# Altium PCB PCB1.PcbDoc
Units mil, origin at the board's own origin, x right, y up, seen from the top; angles counter-clockwise.
Board outline 2440.94 x 1541.95 mil, 2 copper layers (Top Layer, Bottom Layer); 65 components, 62 nets, 268 pads, 379 vias.
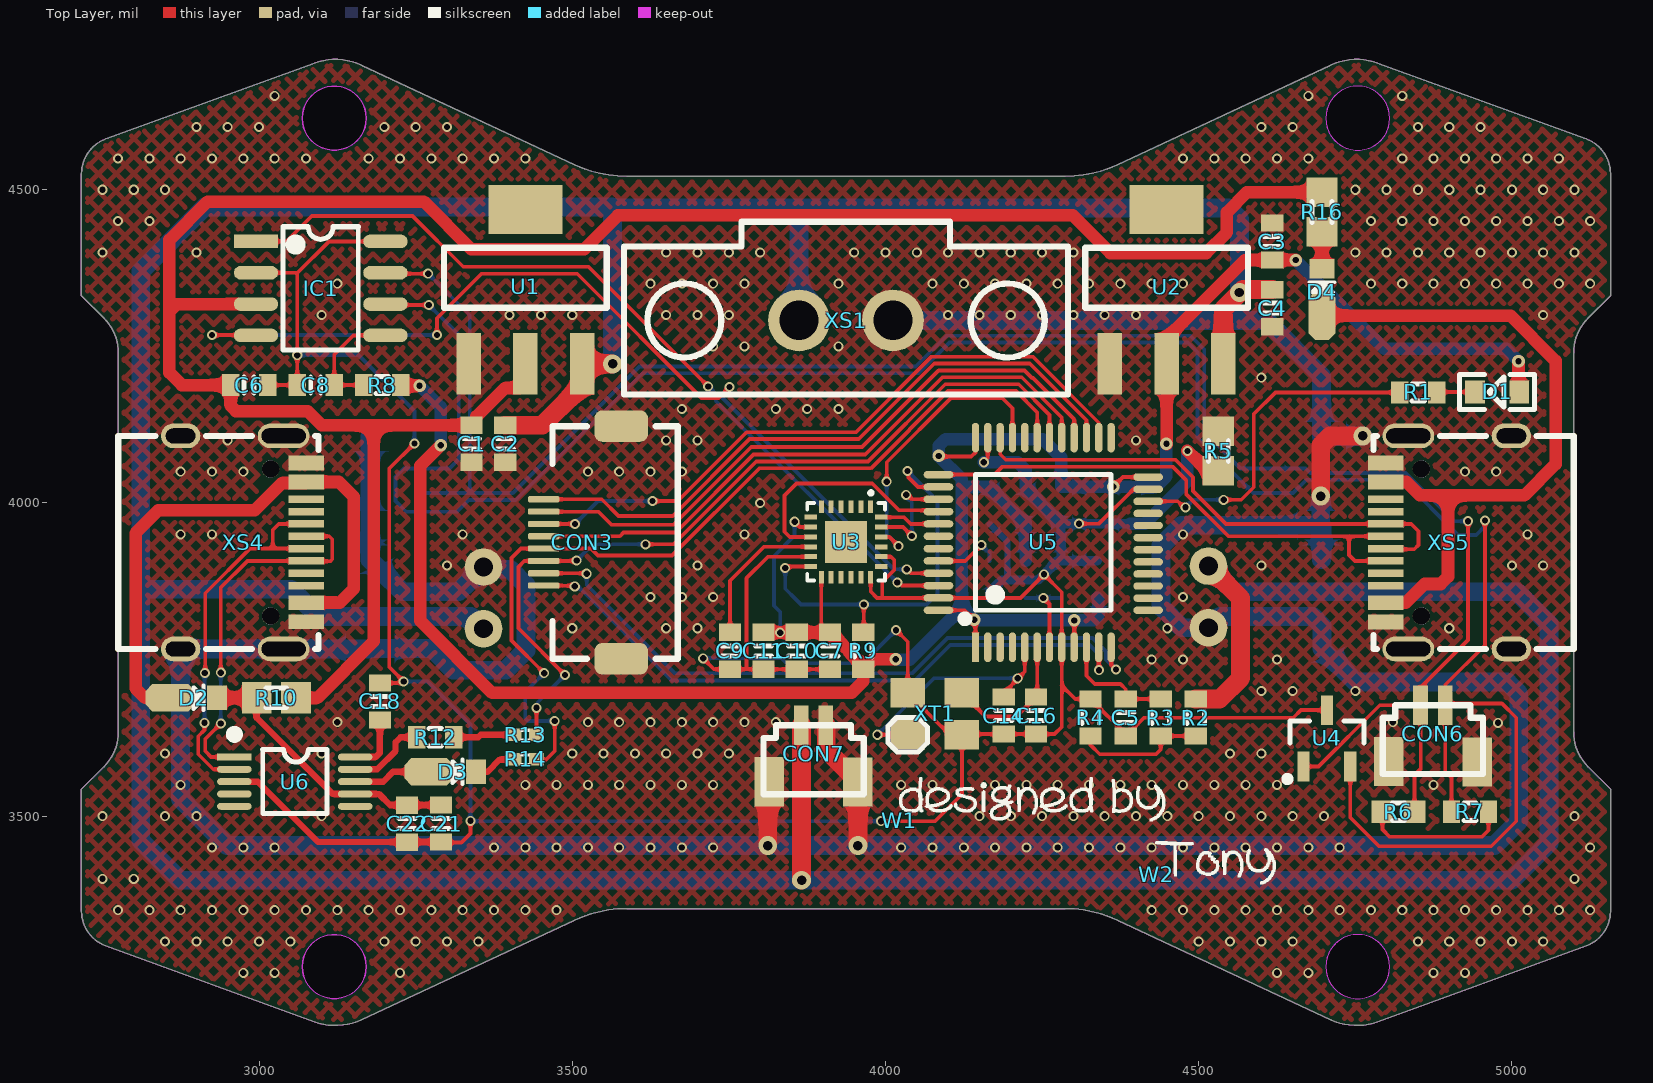
[diagram p0: Top Layer view]
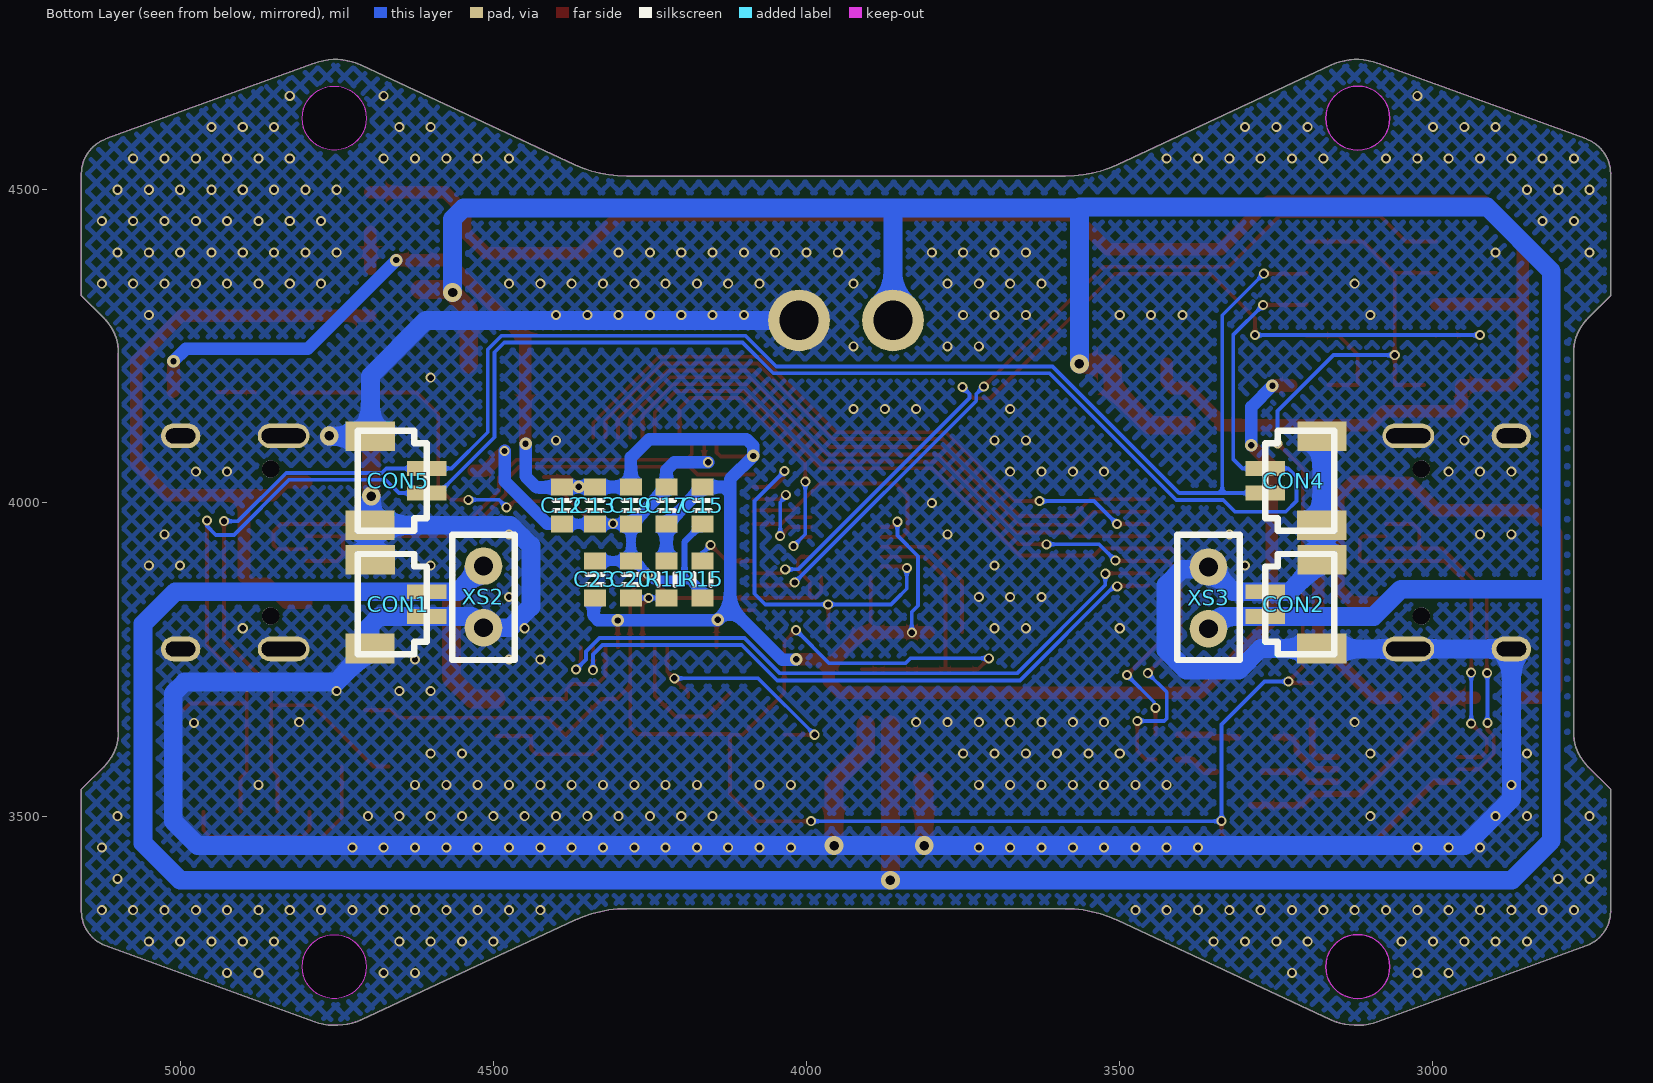
[diagram p1: Bottom Layer view, seen from below]
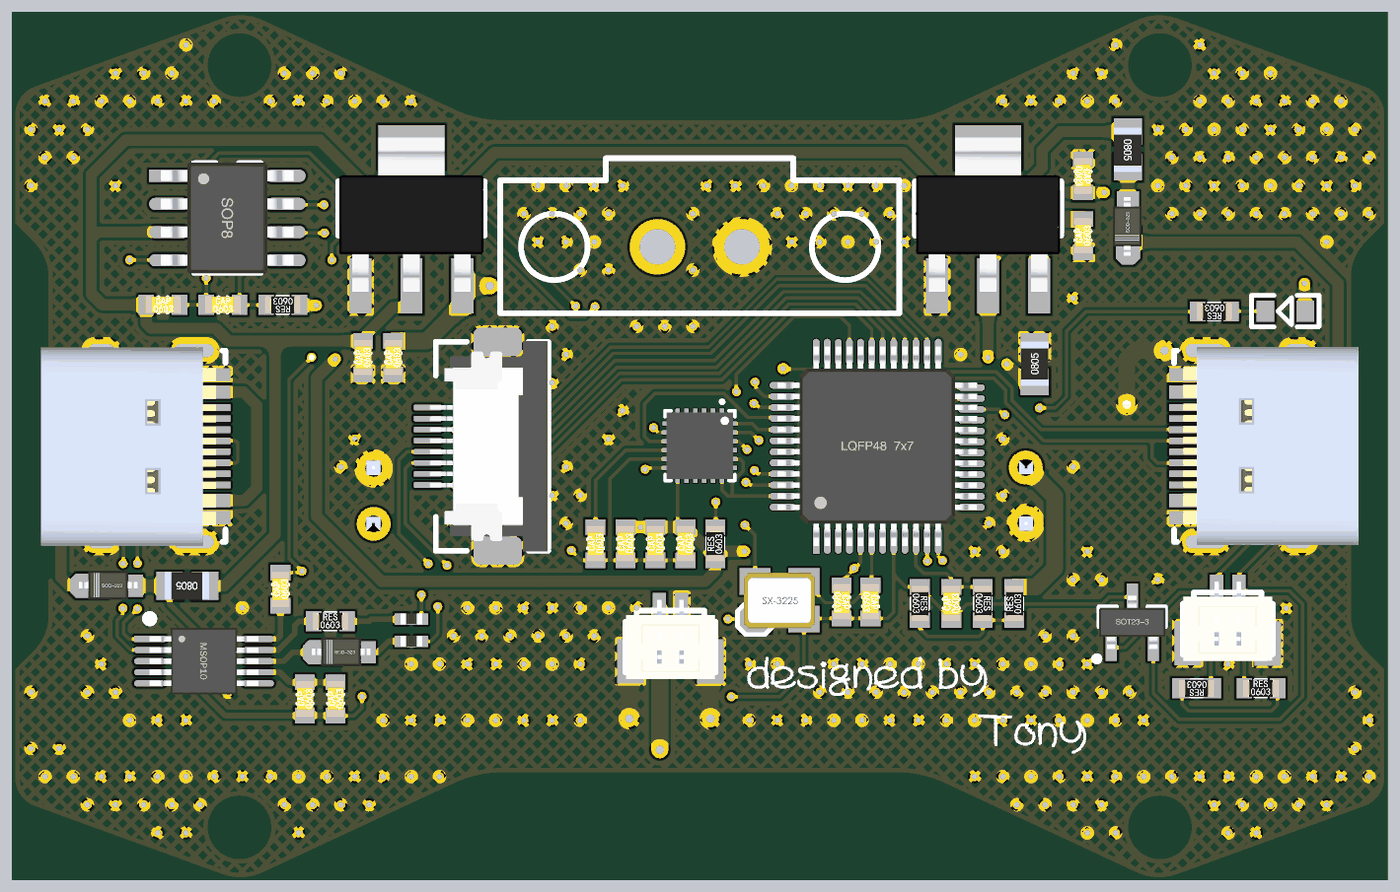
[diagram p2: 3D render of the assembled board from above, using the file's embedded part models]
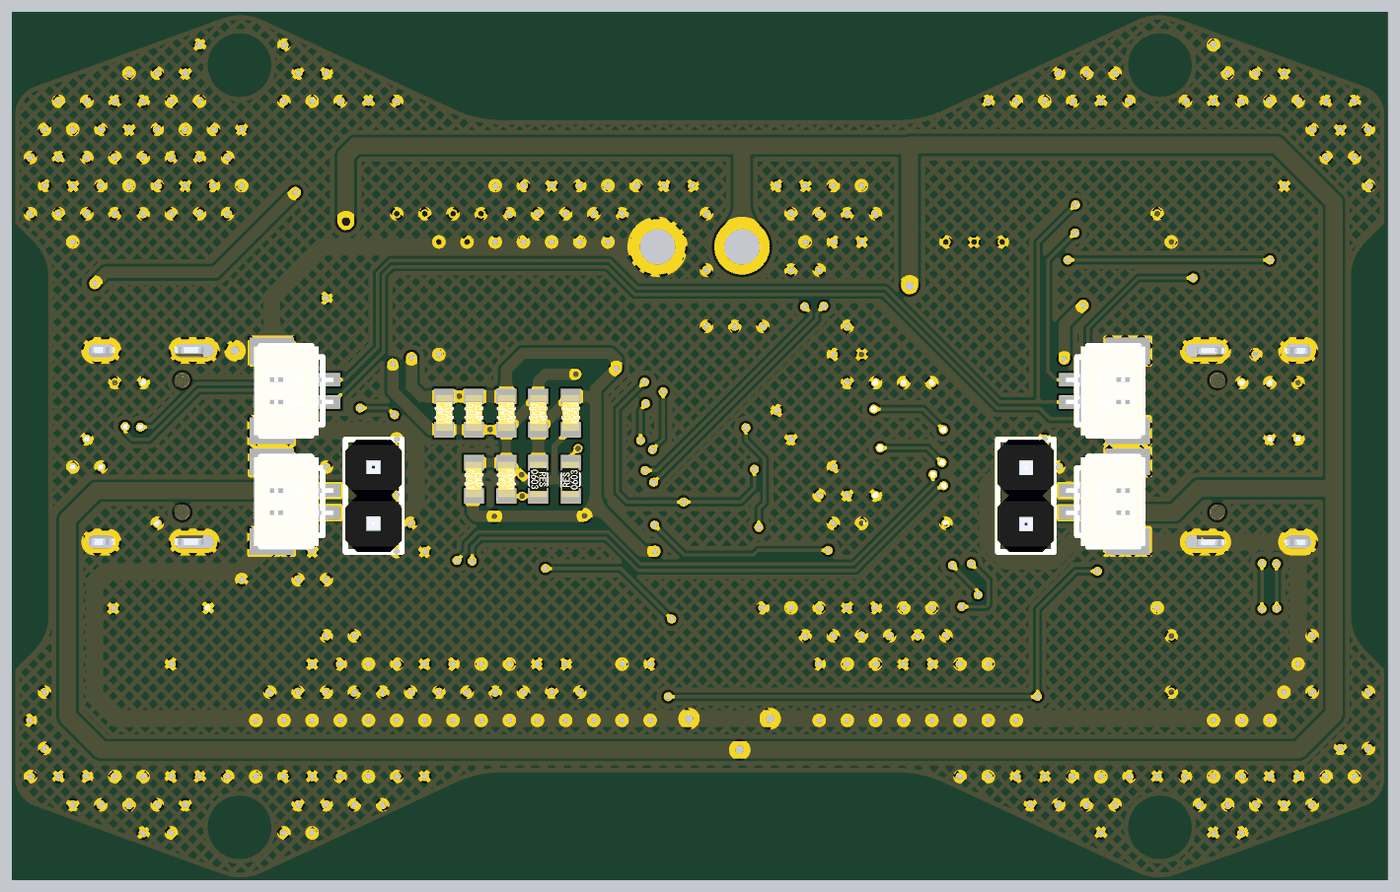
[diagram p3: 3D render of the assembled board from below, using the file's embedded part models]

## Layer stack, top to bottom
Top Solder: solder mask 0.4, Solder Resist, Dk 3.5
Top Layer: signal copper 1.4
Dielectric 1: dielectric 12.6, FR-4, Dk 4.8
Bottom Layer: signal copper 1.4
Bottom Solder: solder mask 0.4, Solder Resist, Dk 3.5

## Board outline
2716.54,3348.44 2716.54,3543.31 2752.53,3579.3 ccw(c2696.85,3634.98) 2775.59,3634.98 2775.59,4239.04 ccw(c2696.85,4239.04) 2752.53,4294.72 2716.54,4330.71 2716.54,4525.58 cw(c2775.59,4525.58) 2755.39,4581.07 3088.03,4702.14 cw(c3121.7,4609.65) 3163.29,4698.86 3503.76,4540.1 ccw(c3586.95,4718.5) 3586.95,4521.65 4287.07,4521.65 ccw(c4287.07,4718.5) 4370.26,4540.1 4710.72,4698.86 cw(c4752.32,4609.65) 4785.98,4702.14 5118.62,4581.07 cw(c5098.43,4525.58) 5157.48,4525.58 5157.48,4330.71 5121.49,4294.72 ccw(c5177.17,4239.04) 5098.43,4239.04 5098.43,3634.98 ccw(c5177.17,3634.98) 5121.49,3579.3 5157.48,3543.31 5157.48,3348.44 cw(c5098.43,3348.44) 5118.62,3292.94 4785.98,3171.87 cw(c4752.32,3264.36) 4710.72,3175.16 4370.26,3333.92 ccw(c4287.07,3155.51) 4287.07,3352.36 3586.95,3352.36 ccw(c3586.95,3155.51) 3503.76,3333.92 3163.29,3175.16 cw(c3121.7,3264.36) 3088.03,3171.87 2755.39,3292.94 cw(c2775.59,3348.44)
cut-out: 3120.08,4562.99 cw(c3120.08,4614.17) 3068.9,4614.17 cw(c3120.08,4614.17) 3120.08,4665.35 cw(c3120.08,4614.17) 3171.26,4614.17 cw(c3120.08,4614.17)
cut-out: 4702.76,4614.17 ccw(c4753.94,4614.17) 4753.94,4562.99 ccw(c4753.94,4614.17) 4805.12,4614.17 ccw(c4753.94,4614.17) 4753.94,4665.35 ccw(c4753.94,4614.17)
cut-out: 4702.76,3259.84 ccw(c4753.94,3259.84) 4753.94,3208.66 ccw(c4753.94,3259.84) 4805.12,3259.84 ccw(c4753.94,3259.84) 4753.94,3311.02 ccw(c4753.94,3259.84)
cut-out: 3120.08,3208.66 cw(c3120.08,3259.84) 3068.9,3259.84 cw(c3120.08,3259.84) 3120.08,3311.02 cw(c3120.08,3259.84) 3171.26,3259.84 cw(c3120.08,3259.84)

## Design rules (kind name [scope] priority, off if disabled: settings)
Clearance [All] p1: gap=5 ignorepadtopadclearanceinfootprint=TRUE
ComponentClearance [All] p1: gap=10 collisioncheckmode=3 verticalgap=-20 showdistances=FALSE
PlaneConnect [All] p1: planeconnectstyle=Direct reliefexpansion=20 reliefentries=4 reliefconductorwidth=10 reliefairgap=10
PolygonConnect [All] p1: connectstyle=Direct reliefconductorwidth=10 reliefentries=4 polygonreliefangle="90 Angle" airgapwidth=10
RoutingVias [All] p1: holewidth=28 width=50 viastyle="Through Hole" minholewidth=28 minwidth=50 maxholewidth=28 maxwidth=50
SolderMaskExpansion [All] p1: expansion=4 istentingtop=FALSE
Width [All] p1: maxlimit=100 minlimit=4 preferedwidth=6
28 further rules are at their usual default settings.

## Components (designator, comment, footprint, x,y, rotation, side; value= is the part's Value field where it differs from the comment)
C1 "0603-22u" CAP_0603 3324.33,4094.49 r90 top
C2 "0603-106" CAP_0603 3377.95,4094.49 r90 top
C3 "0603-22u" CAP_0603 4632.36,4417.32 r270 top
C4 "0603-106" CAP_0603 4602.36,4311.02 r90 top
C5 "0603-2u2" CAP_0603 4368.45,3657.48 r90 top
C6 "0603-104" CAP_0603 2984.25,4203.23 r0 top
C7 "0603-103" CAP_0603 3896.42,3763.9 r90 top
C8 "0603-104" CAP_0603 3090.55,4203.23 r0 top
C9 "0603-104" CAP_0603 3736.97,3763.91 r90 top
C10 "0603-104" CAP_0603 3843.27,3763.9 r90 top
C11 "0603-2u2" CAP_0603 3790.12,3763.9 r90 top
C12 "104" CAP_0603 4405.51,3996.06 r90 bottom
C13 "104" CAP_0603 4322.83,3996.06 r270 bottom
C14 "22p" CAP_0603 4203.98,3660.56 r270 top
C15 "104" CAP_0603 4181.1,3996.06 r90 bottom
C16 "22p" CAP_0603 4255.16,3660.56 r270 top
C17 "105" CAP_0603 4208.66,3996.06 r270 bottom
C18 "0603-104" CAP_0603 3177.91,3683.07 r90 top
C19 "104" CAP_0603 4295.28,3996.06 r90 bottom
C20 "104" CAP_0603 4295.28,3877.95 r90 bottom
C21 "0603-104" CAP_0603 3275.59,3488.19 r90 top
C22 "0603-106" CAP_0603 3221.22,3488.08 r90 top
C23 "104" CAP_0603 4322.83,3877.95 r270 bottom
CON1 "SH1.0_2" "SH1.0 Vertical 2P" 4606.3,3838.58 r90 bottom
CON2 "SH1.0_2" "SH1.0 Vertical 2P" 3267.72,3838.58 r270 bottom
CON3 "FFC_0.5_8" FFC_0.5_8 3543.31,3937.01 r90 top locked
CON4 "SH1.0_2" "SH1.0 Vertical 2P" 3267.72,4035.43 r270 bottom
CON5 "SH1.0_2" "SH1.0 Vertical 2P" 4606.3,4035.43 r90 bottom
CON6 "SH1.0_2" "SH1.0 Vertical 2P" 4874.02,3677.17 r180 top
CON7 "SH1.0_2" "SH1.0 Vertical 2P" 3885.13,3644.98 r180 top
D1 "led" led0603 4974.4,4182.1 r180 top
D2 "ss14" SOD-323 2933.07,3688.98 r180 top
D3 "ss14" SOD-323 3346.46,3570.87 r180 top
D4 "ss14" SOD-323 4696.85,4374.02 r270 top
IC1 "TJA1050" SOP8_N 3098.43,4342.52 r0 top locked
R1 "0603-3k" RES_0603 4850.39,4161.42 r180 top
R2 "0603-10k" RES_0603 4480.31,3657.48 r90 top
R3 "0603-1k" RES_0603 4454.38,3657.48 r270 top
R4 "0603-4k7" RES_0603 4342.52,3657.48 r270 top
R5 "0R" RES_0805-SHORT 4531.5,4082.68 r90 top
R6 "0R" RES_0603-SHORT 4818.9,3492.13 r180 top
R7 "0603-120" RES_0603 4933.07,3522.12 r0 top
R8 "0603-1K'" RES_0603 3196.85,4173.23 r180 top
R9 "0603-10K" RES_0603 3949.57,3763.91 r90 top
R10 "0R" RES_0805-SHORT 3027.56,3688.98 r180 top
R11 "10k" RES_0603 4208.66,3877.95 r270 bottom
R12 "0603-330" RES_0603 3281.5,3640.98 r0 top
R13 "0R" RES_0402-SHORT 3425.2,3629.92 r0 top
R14 "0R" RES_0402-SHORT 3425.2,3590.55 r0 top
R15 "10k" RES_0603 4181.1,3877.95 r90 bottom
R16 "0R" RES_0805-SHORT 4696.85,4464.57 r270 top
U1 "AMS1117-5V" SOT223 3425.2,4468.5 r0 top
U2 "AMS1117-3V3" SOT223 4448.82,4468.5 r0 top
U3 "MPU6500" QFN-24_3X3 3976.38,3994.09 r270 top
U4 "PESD1CAN" SOT23-3 4667.32,3579.29 r180 top
U5 "STM32F103C8T6" LQFP48 4251.97,3937.01 r90 top locked
U6 "CH340E" MSOP10 2960.12,3593.86 r0 top locked
W1 "设计于" "designed by（430-70）" 4022,3493 r0 top
W2 "Tony" Tony_2(200-70) 4432,3407 r0 top
XS1 "HDR-1X2" 15EDGVM-2P 3937.01,4291.34 r0 top locked
XS2 "HDR-1X2" HDR2 4515.75,3899.21 r180 bottom
XS3 "HDR-1X2" HDR2 3358.27,3799.21 r0 bottom
XS4 "Type-C" TypeC-304-16BCP 3039.37,3766.93 r270 top
XS5 "Type-C" TypeC-304-16BCP 4834.65,4107.09 r90 top
XT1 "8M" SMD3225_4p 4035.43,3629.92 r0 top

## Footprints (in the part's own frame and the unit in brackets; to place one, negate y for a bottom-side part, rotate by r counter-clockwise, add the part's x,y. Pads: shape width x height; smd on the part's side, far side on the other; paste and mask are expansions set on the pad)
15EDGVM-2P [mm] "螺丝紧固端子，间距3.81mm"
  round 2.5 hole 1.6: 1(-1.905,0) 2(1.905,0)
  silkscreen extent -9,-3 9,4, body extent -9,-2.88 9,4.12, height 9.2
CAP_0603 [mm]
  rect 0.7x0.9 smd: 1(-0.75,-0.381) 2(0.75,-0.381)
  silkscreen extent -0.2,-0.71 0.2,-0.05, body extent -0.8,-0.78 0.8,0.02, height 0.8
"designed by（430-70）" [mil]
  silkscreen extent 0,0 425,69
FFC_0.5_8 [mil]
  rrect50% 50x86 smd: 0(-185.63,-35) 0(185.63,-35)
  rrect50% 10x50 smd: 1(-68.9,89) 2(-49.21,89) 3(-29.53,89) 4(-9.84,89) 5(9.84,89) 6(29.53,89) 7(49.21,89) 8(68.9,89)
  silkscreen extent -186,-125 186,75, body extent -187,-124 187,87, height 82
HDR2 [mil]
  round 60 hole 30: 1(0,0) 2(0,-98.42)
  silkscreen extent -50,-150 50,50, body extent -50,-150 50,50, height 330
led0603 [mm]
  rect 0.8x0.95 smd: 1(-0.95,0.125) 2(0.85,0.125)
  silkscreen extent -1.57,-0.59 1.47,0.84, body extent -1.02,-0.4 1,0.67, height 0.5
LQFP48 [mm] "STM32-48pin"
  rect 1.2x0.3 smd mask+0.051: 1(-4.25,2.75)
  oval 1.2x0.3 smd mask+0.051: 2(-4.25,2.25) 3(-4.25,1.75) 4(-4.25,1.25) 5(-4.25,0.75) 6(-4.25,0.25) 7(-4.25,-0.25) 8(-4.25,-0.75) 9(-4.25,-1.25) 10(-4.25,-1.75) 11(-4.25,-2.25) 12(-4.25,-2.75) 25(4.25,-2.75) 26(4.25,-2.25) 27(4.25,-1.75) 28(4.25,-1.25) 29(4.25,-0.75) 30(4.25,-0.25) 31(4.25,0.25) 32(4.25,0.75) 33(4.25,1.25) 34(4.25,1.75) 35(4.25,2.25) 36(4.25,2.75)
  oval 0.3x1.2 smd mask+0.051: 13(-2.75,-4.25) 14(-2.259,-4.25) 15(-1.768,-4.25) 16(-1.278,-4.25) 17(-0.787,-4.25) 18(-0.296,-4.25) 19(0.195,-4.25) 20(0.685,-4.25) 21(1.176,-4.25) 22(1.667,-4.25) 23(2.158,-4.25) 24(2.648,-4.25) 37(2.75,4.25) 38(2.25,4.25) 39(1.75,4.25) 40(1.25,4.25) 41(0.75,4.25) 42(0.25,4.25) 43(-0.25,4.25) 44(-0.75,4.25) 45(-1.25,4.25) 46(-1.75,4.25) 47(-2.25,4.25) 48(-2.75,4.25)
  silkscreen extent -3.25,-2.75 2.75,3.32, body extent -4.5,-4.5 4.5,4.5, height 1.45
MSOP10 [mm]
  rect 1.4x0.28 smd: 1(0.013,0.016)
  oval 1.4x0.28 smd: 2(0.013,-0.484) 3(0.013,-0.984) 4(0.013,-1.484) 5(0.013,-1.984) 6(4.913,-1.984) 7(4.913,-1.484) 8(4.913,-0.984) 9(4.913,-0.484) 10(4.913,0.016)
  silkscreen extent -0.14,-2.28 3.76,1.09, body extent 0.01,-2.48 4.91,0.52, height 0.95
QFN-24_3X3 [mm] "3mm-3mm  后缀 EP"
  rect 0.505x0.2 smd mask+0.051: 1(0,0) 2(0,-0.4) 3(0,-0.8) 4(0,-1.2) 5(0,-1.6) 6(0,-2) 13(2.854,-2) 14(2.854,-1.6) 15(2.854,-1.2) 16(2.854,-0.8) 17(2.854,-0.4) 18(2.854,0)
  rect 0.2x0.505 smd mask+0.051: 7(0.427,-2.427) 8(0.827,-2.427) 9(1.227,-2.427) 10(1.627,-2.427) 11(2.027,-2.427) 12(2.427,-2.427) 19(2.427,0.427) 20(2.027,0.427) 21(1.627,0.427) 22(1.227,0.427) 23(0.827,0.427) 24(0.427,0.427)
  rect 1.7x1.7 smd paste-100 mask+0.051: 25(1.427,-1)
  silkscreen extent -0.63,-2.57 3,0.59, body extent -0.08,-2.49 2.92,0.51, height 0.98
RES_0402-SHORT [mm]
  rect 0.6x0.508 smd: 1(-0.45,0) 2(0.45,0)
  silkscreen extent -0.17,-0.24 0.17,0.24, body extent -0.5,-0.25 0.5,0.25, height 0.35
RES_0603 [mm]
  rect 0.7x0.9 smd: 1(-0.75,-0.381) 2(0.75,-0.381)
  silkscreen extent -0.25,-0.73 0.25,-0.03, body extent -0.8,-0.78 0.8,0.02, height 0.45
RES_0603-SHORT [mm]
  rect 0.9x0.9 smd: 1(-0.65,-0.381) 2(0.65,-0.381)
  silkscreen extent -0.25,-0.73 0.25,-0.03, body extent -0.8,-0.78 0.8,0.02, height 0.45
RES_0805-SHORT [mm]
  rect 1.2x1.27 smd: 1(-0.8,0) 2(0.8,0)
  silkscreen extent -0.43,-0.4 0.43,0.4, body extent -0.98,-0.62 1.02,0.62, height 0.37
"SH1.0 Vertical 2P" [mm] "SH1.0 接插件 立式"
  rect 1.2x2 smd: 0(-1.8,2.3) 0(1.8,2.286)
  rect 0.6x1.6 smd: 1(0.5,0) 2(-0.5,0)
  silkscreen extent -2.03,0 2.03,2.79, body extent -2,-0.51 2,3.09, height 4.25
SMD3225_4p [mm]
  rect 1.4x1.2 smd: 1(0,0) 2(2.2,0) 3(2.2,1.7) 4(0,1.7)
  silkscreen extent -0.8,-0.7 0.8,0.7, body extent -0.51,-0.41 2.69,2.09, height 0.81
SOD-323 [mm] "1.8x1.3X0.9mm（长宽高，不包括引脚）"
  oct 2x1.1 smd: 1(1.9,0)
  rect 0.8x1 smd: 2(0,0)
  silkscreen extent 0.55,-0.51 0.95,0.51, body extent -0.15,-0.67 2.5,0.62, height 1
SOP8_N [mm] "5*6*1.8mm（长宽高）"
  rect 1.8x0.55 smd: 1(-2.625,1.905)
  oval 1.8x0.55 smd: 2(-2.625,0.635) 3(-2.625,-0.635) 4(-2.625,-1.905) 5(2.625,-1.905) 6(2.625,-0.635) 7(2.625,0.635) 8(2.625,1.905)
  silkscreen extent -1.52,-2.5 1.52,2.5, body extent -3,-2.5 3,2.5, height 1.9
SOT23-3 [mm]
  rect 0.5x1.2 smd: 1(0,0) 2(-1.9,0) 3(-0.95,-2.286)
  silkscreen extent -2.45,-1.84 0.77,0.63, body extent -2.45,-2.34 0.55,0.06, height 1.05
SOT223 [mm]
  rect 1x2.5 smd: 1(-2.3,-6.262) 2(0,-6.262) 3(2.3,-6.262)
  rect 3x2 smd: ""(0,0)
  silkscreen extent -3.3,-3.99 3.3,-1.55, body extent -3.25,-6.53 3.25,0.43, height 1.7
Tony_2(200-70) [mil]
  silkscreen extent -1,-15 191,53
TypeC-304-16BCP [mm]
  oval 1x2.1 hole 0.6 slot 1.8 at 90 deg: 13(-8.64,0) 14(0,0)
  oval 1x1.6 hole 0.6 slot 1.2 at 90 deg: 15(-8.64,-4.18) 16(0,-4.18)
  rect 0.6x1.45 smd: A1B12(-7.545,0.915) A4B9(-6.77,0.915) B1A12(-1.1,0.915) B4A9(-1.87,0.915)
  rect 0.3x1.45 smd: A5(-5.57,0.914) A6(-4.57,0.915) A7(-4.07,0.915) A8(-3.07,0.915) B5(-2.57,0.915) B6(-3.57,0.915) B7(-5.07,0.915) B8(-6.07,0.915)
  round 0.7 hole 0.7 unplated: ""(-7.3,-0.53) ""(-1.34,-0.53)
  silkscreen extent -8.64,-6.71 0,1.42, body extent -8.77,-6.9 0.17,1, height 3.11

## Part data
C1 C2 C3 C4 C5 C6 C7 C8 C9 C10 C11 C12 C13 C14 C15 C16 C17 C18 C19 C20 C21 C22 C23: library part cap
CON1 CON2 CON4 CON5 CON6 CON7: "SH1.0 座子"
CON3: "FFC", System=Connector
D2 D3 D4: library part Diode
IC1: "CAN总线收发芯片", BOM名称=CAN总线收发芯片, 学习资源=www.ooocke.com, 版权归属=源创客
R1 R2 R3 R4 R7 R8 R9 R11 R12 R15: library part Res
R5 R6 R10 R13 R14 R16: library part Res-SHORT
U1 U2: library part AMS1117
U3: "六轴传感器"
U4: "CAN过压保护,放于外部接口端"
U5: library part STM32F103C8T6-LCC
U6: "USB转串口 无外置晶振"
XS1 XS2 XS3: library part "Header 2", "2P接插件", BOM名称=2P接插件, 学习资源=www.ooocke.com, 版权归属=源创客
XS4 XS5: library part Type-C母口
XT1: library part XTAL-4P

## Via types
v1: diameter 16, hole 10, Top Layer to Bottom Layer, 362 vias
v2: diameter 20, hole 10, Top Layer to Bottom Layer, 10 vias
v3: diameter 30, hole 15, Top Layer to Bottom Layer, 7 vias

## Nets (pads, with @x,y where several pads share a name; then routed paths per layer and width w, separated by ;. In a path a pad name is that pad's centre, name@x,y a point inside that pad or via, vN(x,y) a via of type N, cw(c..) or ccw(c..) an arc to the next point about the centre after c; other vN are vias at no path point)
3v3: C3.2 C7.2 C10.2 C11.2 C12.2 C13.1 C15.2 C17.2 C19.2 C23.2 D1.1 R8.1 R9.1 R11.1 U2.2 U3.8 U3.13 U5.1 U5.9 U5.24 U5.36 U5.48 | length 4327.8
  Top Layer w6: v1(3855,3970) 3855,3969.67 3863.13,3961.54 U3.8 ; U3.13 3897.64,3807.21 C7.2 ; U5.48 4126.23,3828.74 v2(4141.55,3813.42) 4143.7,3811.26 U5.1 ; v2(4085,4075) 4086,4074 4137,4074 4143.7,4080.7 U5.36 ; U5.9 4301.55,3770.05 v2(4301.55,3812.42) ; v2(4363.72,4026.01) 4378.99,4041.28 U5.24
  Top Layer w20: R8.1 3227.41,4187.19 v2(3256.32,4187.19) ; v2(3290,4092) 3257,4059 3257,3812 3372,3697 3946,3697 3964.57,3715.57 R9.1 ; C11.2 C10.2 C7.2 3964.57,3740.28 R9.1 ; v2(4016.55,3750.42) 3980.61,3750.42 R9.1 ; v2@4449,4094 4448.82,4094.18 U2.2 4448.82,4262.82 4573.79,4387.79 C3.2 v2(4654.79,4387.79) v2@4655,4388 ; v2(5010.55,4226.42) 5010.55,4178.43 D1.1
  Bottom Layer w6: v1(3832,3793) 3832,3826 3822,3836 3822,3915 3855,3948 v1(3855,3970)
  Bottom Layer w20: v2(3256.32,4187.19) 3290,4153.51 v2(3290,4092) ; v2@4017,3750 4039,3750 4122,3833 ; R11.1 C17.2 ; C17.2@4223.66,3968.98 C17.2 ; C23.2 4340,3846.26 4340,3820 4333,3813 4142,3813 4122,3833 ; v2(4448.55,4094.42) 4448.55,4042.55 4431,4025 4391.1,4025 C12.2 C13.1 C19.2 4280.28,4072.72 4251,4102 4096,4102 4085,4091 v2(4085,4075) 4122,4038 4122,4016 ; v2(4654.79,4387.79) 4796.59,4246 4991,4246 v2@5011,4226 ; 4122,3833 4122,4016 ; 4122,4016 4131.59,4025.59 C15.2 4166.1,4024.09 C17.2
5V: C1.2 C6.1 IC1.3 R10.1 R16.1 U1.2 | length 3530.2
  Top Layer w20: IC1.3 2868.72,4317.52 2857,4305.8 ; R10.1 3092.98,3688.98 3183,3779 3183,4124.02 ; C1.2 3183,4124.02 ; 3347.05,4138.05 3392.42,4183.42 3415.51,4183.42 3425.2,4193.11 U1.2 ; R16.1 4577.06,4496.06 4545,4464 4545,4432 4512,4399 4359,4399 4299,4459 3573,4459 3519,4405 3339,4405 3263,4481 2918,4481 2857,4420 2857,4305.8 ; 2857,4305.8 2857,4208 2876.77,4188.23 C6.1 2954.72,4155.28 2963.23,4146.77 3077.46,4146.77 3100.22,4124.02 3183,4124.02
8V4: C2.2 C4.2 CON1.1 CON2.1 CON7.1 R2.2 U1.3 U2.3 XS1.1 XS2.1 XS3.1 | length 7993.9
  Top Layer w30: C2.2 3452.02,4124.02 3511.06,4183.06 3511.06,4217.28 U1.3 v3(3564.49,4221.97) ; v3(3866.14,3397.64) CON7.1@3866.14,3645.67 ; R2.2 4533.47,3687.01 4566.93,3720.47 4566.93,3848.03 XS2.1 ; U2.3 4539.37,4309.37 4570.55,4340.55 C4.2
  Bottom Layer w30: XS3.1 3338.58,3818.9 CON2.1 3094.49,3818.9 3051.18,3862.2 2814.96,3862.2 2811.02,3866.14 ; v3(3564.49,4221.97) 3564.49,4472.44 2913.39,4472.44 2811.02,4370.08 2811.02,3866.14 ; 3564.49,4471 4547.43,4471 4565,4453.43 v3(4565,4336) ; XS1.1 3862.01,4454.87 ; XS2.1 4556.69,3858.27 CON1.1 5007.87,3858.27 5059.06,3807.09 5059.06,3456.69 5000,3397.64 v3(3866.14,3397.64) 2874.02,3397.64 2811.02,3460.63 2811.02,3866.14
BAT_ADC: C5.2 R3.1 U5.10 | length 188.5
  Top Layer w6: U5.10 4320.87,3724.13 4334,3711 4375,3711 4383.45,3702.55 C5.2 R3.1
BOOT0: R15.2 U5.44 | length 109.9
  Top Layer w6: U5.44 4127.48,3907.48 v1(4153,3933)
  Bottom Layer w6: v1(4153,3933) 4166.1,3919.9 R15.2
CAN1_RX: IC1.4 U5.45 | length 1525.1
  Top Layer w6: v1(2925,4268) 2994.6,4268 IC1.4 ; v1(3284,4268) 3284,4295 3355,4366 3508,4366 3707,4167 3733,4167 v1(3751,4185) ; v1(4034,3894) 4040.2,3887.8 U5.45
  Bottom Layer w6: v1(2925,4268) v1(3284,4268) ; v1(3751,4185) 3740,4174 3740,4167.56 4013.56,3894 v1(4034,3894)
CAN1_TX: IC1.1 U5.46 | length 1357.1
  Top Layer w6: IC1.1 3043.52,4417.52 3084,4458 3245,4458 3326,4377 3526,4377 v1(3717,4186) ; v1(4019,3873) 4021.71,3873 4026.6,3868.11 U5.46
  Bottom Layer w6: v1(3717,4186) 3729,4174 3729,4163 v1(4019,3873)
CAN1H: CON4.1 CON5.1 CON6.1 IC1.7 R6.1 U4.1 | length 3139.8
  Top Layer w6: IC1.7 3203.29,4366 v1(3270,4366) ; U4.1 4691.29,3579.29 4789.17,3677.17 CON6.1 ; R6.1 4844.49,3565.49 4854.33,3575.33 CON6.1 ; v1(4930,3971) 4930,3781 4854.33,3705.33 CON6.1
  Bottom Layer w6: CON4.1 3336.45,4015.75 ; v1(3270,4366) 3336.45,4299.55 3336.45,4015.75 ; v1(4930,3971) 4907.56,3971 4830.56,4048 4678,4048 4671,4055 4606.42,4055 CON5.1 4566.88,4055.12 4509,4113 4509,4245 4487,4267 4097.44,4267 4048.44,4218 3607.44,4218 3405.19,4015.75 3336.45,4015.75
CAN1L: CON4.2 CON5.2 CON6.2 IC1.6 R7.1 U4.2 | length 3750.2
  Top Layer w6: IC1.6 3203.29,4316 v1(3271,4316) ; U4.2 4742.12,3497.88 4788,3452 4967,3452 5007,3492 5007,3657 4984,3680 4896.53,3680 CON6.2 ; R7.1 4903.54,3561.46 4893.7,3571.3 CON6.2 ; v1(4957,3972) 4957,3773 4893.7,3709.7 CON6.2
  Bottom Layer w6: v1(3271,4316) 3319,4268 3319,4070 3304.12,4055.12 CON4.2 3231.12,4055.12 3218,4042 3218,4003 3235,3986 3316,3986 3334.75,4004.75 3409.75,4004.75 3612,4207 4053,4207 4102,4256 4482.44,4256 4498,4240.44 4498,4105 4587.25,4015.75 CON5.2 4650.75,4015.75 4672,4037 4826,4037 4914,3949 4943,3949 4957,3963 v1(4957,3972)
D+: U6.1 XS4.A6 XS4.B6 | length 596
  Top Layer w6: v1(2939,3648) 2914,3623 2914,3604 2923.51,3594.49 U6.1 ; v1(2939,3729) 2939,3865 2981.48,3907.48 XS4.B6 3075.87,3907 3114,3907 3117,3910 3117,3942 3112.15,3946.85 XS4.A6
  Bottom Layer w6: v1@2938,3730 v1(2939,3729) v1(2939,3648)
D-: U6.2 XS4.A7 XS4.B7 | length 607.7
  Top Layer w6: v1(2913,3649) 2913,3637.56 2903,3627.56 2903,3599 2927,3575 2960.43,3575 U6.2 ; v1(2913.5,3728.5) 2914.3,3729.3 2914.3,3855.85 2985.61,3927.17 3022,3927.17 ; XS4.A7 3022,3927.17 ; XS4.B7 3031.54,3966.54 3022,3957 3022,3927.17
  Bottom Layer w6: v1(2913,3649) 2913,3728 v1(2913.5,3728.5) v1@2914,3729
DGND: C5.1 C6.2 C7.1 C8.1 C9.1 C10.1 C11.1 C12.1 C13.2 C14.2 C15.1 C16.2 C17.1 C18.2 C19.1 C20.2 C21.1 C22.1 C23.1 IC1.2 IC1.8 R4.1 R5.1 R15.1 U3.11 U3.18 U3.20 U4.3 U5.8 U5.23 U5.35 U5.47 U6.3 XT1.2 XT1.4 | length 6197.3
  Top Layer w6: IC1.2 3058.52,4367.52 3060.02,4366.02 ; C6.2 C8.1 3061.02,4365.01 3060.02,4366.02 ; C18.2 3228.6,3712.6 v1(3231,3715) 3208,3738 3208,4055 v1(3248,4095) ; IC1.8 3111.52,4417.52 3060.02,4366.02 ; C21.1 3291.25,3458 3323,3458 3337.5,3472.5 v1(3337.5,3492.5) ; v1(3709,3752) 3726.62,3734.38 C9.1 3778.54,3734.38 ; U3.11 3812.29,3914.29 3778,3880 3778,3734.92 3778.54,3734.38 ; C7.1 C10.1 C11.1 3778.54,3734.38 ; U3.18 3976.38,3858.62 3986.57,3848.43 U5.47 4215.43,3848.43 v1(4253,3886) 4281.5,3857.5 U5.8 4281.5,3708.5 ; v1(3993,3492) 4079,3492 4122.05,3535.05 XT1.2 ; U3.20 4008.71,3914.29 4014,3909 4014,3893 3995,3874 3995,3849 ; v1(4017,3797) 4035.43,3778.57 XT1.4 4102.36,3629.92 XT1.2 ; v1(4157,4065) 4163.39,4071.39 U5.35 ; v1(4309,3967) 4341,3967 4395.95,4021.95 U5.23 ; U4.3 4663.29,3669.29 4651,3657 4412.5,3657 C5.1 4383.45,3631.08 R4.1 4302.99,3687.01 4281.5,3708.5 ; XT1.2 4123.16,3631.03 C14.2 C16.2 4270.03,3631.03 4281.5,3642.5 4281.5,3708.5
  Top Layer w10: U6.3 2997.88,3555.12 3094.34,3458.66 C21.1
  Top Layer w20: v1(4482,4083) 4513.82,4051.18 R5.1
  Bottom Layer w6: v1(3061,4236) 3159,4236 3248,4147 v1(3248,4095) ; v1(3231,3715) 3269,3715 3337.5,3646.5 v1(3337.5,3492.5) 3338,3492 v1(3993,3492) ; v1(3709,3752) 3833.85,3752 3841.85,3744 3964,3744 v1(4017,3797) ; C17.1@4223.66,4023.15 C17.1
  Bottom Layer w10: C15.1 4195,3937.64 4195,3877
  Bottom Layer w15: R15.1 4166.1,3857.1 4186,3877 4195,3877 4244,3877 v1(4253,3886) 4274.48,3907.48 C20.2 ; C23.1 C20.2 ; C12.1 C19.1 C20.2
  Bottom Layer w20: v1(4157,4065) 4211,4065 4223.66,4052.34 C17.1 ; C17.1@4223.66,4023.15 C19.1 ; C12.1 4413.54,3966.54 4482,4035 v1(4482,4083)
LED: R1.2 U5.22 | length 550.1
  Top Layer w6: U5.22 4466.48,4002.63 4476.13,3992.98 v1(4478.84,3992.98) ; v1(4540,4005) 4568,4005 4588,4025 4588,4142 4622.42,4176.42 R1.2
  Bottom Layer w6: v1(4478.84,3992.98) 4490.86,4005 v1(4540,4005)
MPU_INT: R9.2 U3.12 U5.38 | length 661.2
  Top Layer w6: v1(3840,3896) 3842.54,3898.54 U3.12 ; R9.2 3965.5,3794.37 v1(3965.5,3838) ; v1(4035,4051) 4036.91,4049.09 4036.91,4040.7 4052.02,4025.59 U5.38
  Bottom Layer w6: v1(3840,3896) 3840,3863 3857,3846 3865,3838 v1(3965.5,3838) 4066,3838 4083,3855 4083,4003 v1(4035,4051)
MPU_SPI_CS: U3.22 U5.33 | length 472.7
  Top Layer w6: U3.22 4006.21,3945.79 v1(4021,3931) ; v1(4002,4034) 4002,4065 4104.57,4167.57 4186.43,4167.57 4202.76,4151.24 U5.33
  Bottom Layer w6: v1(4002,4034) 4002,3950 v1(4021,3931)
MPU_SPI_MISO: U3.9 U5.40 | length 375.3
  Top Layer w6: U3.9 3847.21,3945.79 3839,3954 3839,4012 3858,4031 3979,4031 4021.72,3988.28 4082.58,3988.28 U5.40
MPU_SPI_MOSI: U3.24 U5.41 | length 95.9
  Top Layer w6: U3.24 4029.72,3977.28 4040.46,3966.54 U5.41
MPU_SPI_SCK: U3.23 U5.39 | length 178.6
  Top Layer w6: U3.23 4027.86,3961.54 v1(4042,3947.39) ; v1(4033,4013) 4035.71,4013 4042.8,4005.91 U5.39
  Bottom Layer w6: v1(4033,4013) 4033,4010.29 4042,4001.29 v1(4042,3947.39)
NetC8_2: C8.2 IC1.5 R8.2 | length 190.4
  Top Layer w6: R8.2 C8.2 3120.08,4237.08 3150.52,4267.52 IC1.5
NetC9_2: C9.2 U3.10 | length 233.8
  Top Layer w6: C9.2 3751.97,3875.97 3806.04,3930.04 U3.10
NetC14_1: C14.1 U5.5 XT1.1 | length 403.2
  Top Layer w6: v1(3987,3630) 4035.35,3630 XT1.1 ; C14.1 4188.98,3696.98 4222.44,3730.44 U5.5
  Bottom Layer w6: v1(3987,3630) 4077,3720 v1(4211,3720)
NetC16_1: C16.1 U5.6 XT1.3 | length 227.1
  Top Layer w6: XT1.3 4159.9,3659 4209.08,3659 C16.1 4242.13,3692.05 U5.6
NetC18_1: C18.1 U6.10 | length 94.7
  Top Layer w10: U6.10 3186.49,3594.49 3192.91,3600.91 C18.1
NetD1_2: D1.2 R1.1 | length 61.3
  Top Layer w6: R1.1 4880.67,4177.17 D1.2
NetD2_1: D2.1 XS4.A4B9 XS4.B4A9 | length 932.9
  Top Layer w20: D2.1 2818.02,3688.98 2803,3704 2803,3952 2839,3988 2992.87,3988 3036.52,4031.66 3073.58,4031.66 XS4.A4B9 3127.53,4033.47 3151,4010 3151,3863 3129,3841 3075.84,3841 XS4.B4A9
NetD3_1: D3.1 U6.8 | length 124.6
  Top Layer w10: U6.8 3198.12,3555.12 3213.87,3570.87 D3.1
NetD3_2: D3.2 R14.1 | length 69.2
  Top Layer w10: D3.2 3364.87,3570.87 3384.55,3590.55 R14.1
NetD4_1: D4.1 XS5.A4B9 XS5.B4A9 | length 1115.4
  Top Layer w20: D4.1 4997.79,4299.21 5070,4227 5070,4062 5020,4012 4898,4012 ; XS5.A4B9 4830.55,3840.55 4860.64,3870.64 4886.28,3870.64 4898,3882.36 4898,4012 ; XS5.B4A9 4831.54,4033.46 4853,4012 4898,4012
NetR2_1: R2.1 R3.2 R4.2 | length 212.9
  Top Layer w6: R4.2 4327.52,3613.48 4342,3599 4432,3599 4439.38,3606.38 R3.2 R2.1
NetR6_2: R6.2 R7.2 | length 236.5
  Top Layer w6: R6.2 4793.31,3478.69 4805,3467 4952,3467 4962.6,3477.6 R7.2
NetR12_1: R12.1 U6.9 | length 127.8
  Top Layer w10: U6.9 3188.8,3574.8 3218,3604 3218,3618 3225.98,3625.98 R12.1
NetR12_2: R12.2 R13.1 | length 98.1
  Top Layer w10: R12.2 3349.98,3625.98 3353.92,3629.92 R13.1
NRF_CE: CON3.5 U5.29 | length 991
  Top Layer w6: CON3.5 3454.46,3947 3576,3947 3582,3953 3665.08,3953 3789.33,4077.25 3967.58,4077.25 4090.9,4200.57 4217.43,4200.57 4281.5,4136.51 U5.29
NRF_SPI_MISO: CON3.8 U5.27 | length 1043.5
  Top Layer w6: CON3.8 3547.1,4005.9 3573.61,3979.39 3660.36,3979.39 3782.97,4102 3957.33,4102 4077.9,4222.57 4230.43,4222.57 4320.87,4132.13 U5.27
NRF_SPI_MOSI: CON3.7 U5.28 | length 1019.3
  Top Layer w6: CON3.7 3454.53,3986 3542,3986 3562.75,3965.25 3661.77,3965.25 3785.8,4089.27 3962.6,4089.27 4084.9,4211.57 4221.99,4211.57 4234.15,4199.41 4235.59,4199.41 4301.18,4133.82 U5.28
NRF_SPI_SCK: CON3.6 U5.26 | length 1064.9
  Top Layer w6: CON3.6 v1(3504.53,3966.53) v1@3505,3967 ; v1(3628,4003) 3668.41,4003 3778.41,4113 3952.78,4113 4073.35,4233.57 4234.98,4233.57 4340.55,4128 U5.26
  Bottom Layer w6: v1(3504.53,3966.53) 3541,4003 v1(3628,4003)
NRST: C20.1 R11.2 U5.7 | length 139.4
  Top Layer w6: v1(4251.97,3848.43) 4261.81,3838.58 U5.7
  Bottom Layer w6: R11.2 v1(4251.97,3848.43) C20.1
PA1: CON3.1 U5.11 | length 1041.2
  Top Layer w6: CON3.1 3454.42,3868 3503,3868 v1(3504,3867) ; U5.11 4340.55,3733.45 v1(4341,3733)
  Bottom Layer w6: v1(3504,3867) 3509,3867 3659.31,3716.69 4046.7,3716.69 4103.48,3773.46 4325.54,3773.46 4341,3758 v1(4341,3733)
PA2: CON3.2 U5.12 | length 1081.2
  Top Layer w6: CON3.2 3522.21,3887.79 v1(3523,3887) ; U5.12 4360.24,3741.76 v1(4368,3734)
  Bottom Layer w6: v1(3523,3887) 3523,3869 3664,3728 4042.46,3728 4098.92,3784.46 4330.54,3784.46 4352,3763 4352,3750 v1(4368,3734)
PA3: U5.13
PA4: U5.14
PA5: U5.15
PA6: U5.16
PA7: U5.17
PA9: CON3.3 R13.2 U5.30 | length 1343
  Top Layer w6: R13.2 3442.91,3672.91 v1(3443,3673) ; v1(3488.5,3725.5) 3414,3800 3414,3898 3423.48,3907.48 CON3.3 3506.48,3907.48 v1(3507,3908) ; v1(3616.79,3934) 3661.64,3934 3793.89,4066.25 3972.14,4066.25 4095.46,4189.57 4212.87,4189.57 4261.81,4140.63 U5.30
  Bottom Layer w6: v1(3443,3673) 3444.91,3674.91 3444.91,3681.91 v1(3488.5,3725.5) ; v1(3507,3908) 3533,3934 v1(3616.79,3934)
PA10: CON3.4 R14.2 U5.31 | length 1434.7
  Top Layer w6: R14.2 3458.55,3590.55 3472,3604 v1(3472,3652) ; v1(3455.21,3728.21) 3403,3780.42 3403,3912 3418.16,3927.16 CON3.4 3529.84,3927.16 3541,3916 3659.19,3916 3798.44,4055.25 3976.7,4055.25 4100.02,4178.57 4208.32,4178.57 4242.13,4144.76 U5.31
  Bottom Layer w6: v1(3455.21,3728.21) 3425,3698 3425,3656 3429,3652 v1(3472,3652)
PA11: U5.32
PB0: U5.18
PB1: U5.19
PB2: U5.20
PB6: U5.42
PB7: U5.43
PB10: U5.21
PB12: U5.25
PC13: U5.2
PC14: U5.3
PC15: U5.4
PGND: C1.1 C2.1 C3.1 C4.1 CON1.0 CON1.2 CON2.0 CON2.2 CON3.0 CON4.0 CON5.0 CON6.0 CON7.0 CON7.2 R5.2 U1.1 U2.1 XS1.2 XS2.2 XS3.2 XS4.13 XS4.14 XS4.15 XS4.16 XS4.A1B12 XS4.B1A12 XS5.13 XS5.14 XS5.15 XS5.16 XS5.A1B12 XS5.B1A12 | length 6295.1
  Top Layer w30: v3(3812,3453) 3812,3552.71 CON7.0@3814.96,3555.67 ; CON7.2@3905.51,3645.67 3905.51,3606.3 3956.69,3555.12 3956,3554.43 v3(3956,3453) ; v3(4695,4011) 4695,4092 4710,4107 v3(4762,4107)
  Bottom Layer w30: CON4.0@3177.17,4106.3 3177.17,3909.45 3228.35,3858.27 CON2.2 3318.9,3858.27 XS3.2 3361.75,3894.15 3400.85,3894.15 3426,3869 3426,3765 3394,3733 3310,3733 3275.28,3767.72 3177.72,3767.72 3176.93,3766.93 XS4.14 XS4.16 2874.8,3527.2 2949,3453 v3(3812,3453) v3(3956,3453) 4972,3453 5011,3492 5011,3696 4993,3714 4750.57,3714 4696.85,3767.72 4696.85,3804.15 4682.1,3818.9 CON1.2 4533.86,3818.9 XS2.2 4473.21,3800.79 4440,3834 4440,3932 4472.57,3964.57 CON5.0@4696.3,3964.57 ; XS1.2 4607.66,4291.34 4696.3,4202.7 4696.3,4106.3 4761.3,4106.3 v3(4762,4107) ; v3(4695,4011) 4695,3965.87 CON5.0@4696.3,3964.57 ; CON1.0@4696.3,3909.45 CON5.0@4696.3,3964.57
  other v1: 2975,3250 3025,3250 3225,3250 4625,3250 4675,3250 4875,3250 4925,3250 2850,3300 2900,3300 2950,3300 3000,3300 3050,3300 3200,3300 3250,3300 3300,3300 3350,3300 4500,3300 4550,3300 4600,3300 4650,3300 4850,3300 4900,3300 4950,3300 5000,3300 5050,3300 2775,3350 2825,3350 2875,3350 2925,3350 2975,3350 3025,3350 3075,3350 3125,3350 3175,3350 3225,3350 3275,3350 3325,3350 3375,3350 3425,3350 3475,3350 4425,3350 4475,3350 4525,3350 4575,3350 4625,3350 4675,3350 4725,3350 4775,3350 4825,3350 4875,3350 4925,3350 4975,3350 5025,3350 5075,3350 5125,3350 2750,3400 2800,3400 5100,3400 2925,3450 2975,3450 3025,3450 3375,3450 3425,3450 3475,3450 3525,3450 3575,3450 3625,3450 3675,3450 3725,3450 4025,3450 4075,3450 4125,3450 4175,3450 4225,3450 4275,3450 4325,3450 4375,3450 4425,3450 4475,3450 4525,3450 4575,3450 4625,3450 4675,3450 4725,3450 5125,3450 2750,3500 2850,3500 2900,3500 3100,3500 4150,3500 4200,3500 4250,3500 4300,3500 4350,3500 4400,3500 4450,3500 4500,3500 4550,3500 4600,3500 4650,3500 4700,3500 5100,3500 2875,3550 3425,3550 3475,3550 3525,3550 3575,3550 3625,3550 3675,3550 3725,3550 4025,3550 4075,3550 4175,3550 4225,3550 4275,3550 4325,3550 4375,3550 4425,3550 4475,3550 4525,3550 4575,3550 4625,3550 4875,3550 2850,3600 3100,3600 3500,3600 3550,3600 3600,3600 3650,3600 3700,3600 3750,3600 4550,3600 4600,3600 4978,3649 3125,3650 3525,3650 3575,3650 3625,3650 3675,3650 3725,3650 3775,3650 3825,3650 4810,3650 4600,3700 4650,3700 4750,3700 4425,3750 4475,3750 4625,3750 3500,3800 3650,3800 3700,3800 4450,3800 4900,3800 3625,3850 3675,3850 3725,3850 4475,3850 3300,3900 3700,3900 4600,3900 5000,3900 5050,3900 2875,3950 2925,3950 3325,3950 3775,3950 4475,3950 5025,3950 3800,4000 2875,4050 2925,4050 2975,4050 3525,4050 3575,4050 3625,4050 3675,4050 4925,4050 4975,4050 2950,4100 3650,4100 3700,4100 4400,4100 3675,4150 3825,4150 3875,4150 3925,4150 4600,4200 3725,4250 3775,4250 3925,4250 3100,4300 3400,4300 3450,4300 3500,4300 3650,4300 3700,4300 3750,4300 4100,4300 4150,4300 4200,4300 4250,4300 4300,4300 4350,4300 4400,4300 5050,4300 3125,4350 3625,4350 3675,4350 3725,4350 3775,4350 3925,4350 4075,4350 4125,4350 4175,4350 4225,4350 4275,4350 4325,4350 4375,4350 4425,4350 4475,4350 4775,4350 4825,4350 4875,4350 4925,4350 4975,4350 5025,4350 5075,4350 5125,4350 2750,4400 2900,4400 3650,4400 3700,4400 3750,4400 3800,4400 3950,4400 4000,4400 4050,4400 4100,4400 4150,4400 4200,4400 4250,4400 4300,4400 4750,4400 4800,4400 4850,4400 4900,4400 4950,4400 5000,4400 5050,4400 5100,4400 2775,4450 2825,4450 4775,4450 4825,4450 4875,4450 4925,4450 4975,4450 5025,4450 5075,4450 5125,4450 2750,4500 2800,4500 2850,4500 4750,4500 4800,4500 4850,4500 4900,4500 4950,4500 5000,4500 5050,4500 5100,4500 2775,4550 2825,4550 2875,4550 2925,4550 2975,4550 3025,4550 3075,4550 3175,4550 3225,4550 3275,4550 3325,4550 3375,4550 3425,4550 4475,4550 4525,4550 4575,4550 4625,4550 4675,4550 4825,4550 4875,4550 4925,4550 4975,4550 5025,4550 5075,4550 2900,4600 2950,4600 3000,4600 3200,4600 3250,4600 3300,4600 4600,4600 4650,4600 4850,4600 4900,4600 4950,4600 3025,4650 4675,4650 4825,4650
SWCLK: U5.37 XS5.A7 XS5.B7 | length 870.6
  Top Layer w6: U5.37 4174.28,4045.28 4187,4058 4458.44,4058 4480,4036.44 4480,4014.44 4547.6,3946.85 4740,3946.85 ; XS5.B7 4749.52,3907.48 4740,3917 4740,3946.85 ; XS5.A7 4740,3946.85
SWDIO: U5.34 XS5.A6 XS5.B6 | length 835.9
  Top Layer w6: U5.34 4183.27,4104.13 4183.27,4077.73 4192,4069 4463,4069 4491,4041 4491,4019 4543.47,3966.53 XS5.B6 4839.47,3966.53 4851,3955 4851,3933 4844,3926 4799.79,3926 XS5.A6
USB_5V: C21.2 C22.2 D2.2 R10.2 U6.7 | length 447.3
  Top Layer w10: R10.2 2996.06,3656.94 3117.57,3535.43 U6.7 3191.57,3535.43 3209.39,3517.61 C22.2 3290.48,3517.61 C21.2
  Top Layer w20: D2.2 R10.2
VDD_5V: D4.2 R16.2 | length 59.1
  Top Layer w20: D4.2@4696.85,4374.02 R16.2
pads on no net: U1. U2. U3.1 U3.2 U3.3 U3.4 U3.5 U3.6 U3.7 U3.14 U3.15 U3.16 U3.17 U3.19 U3.21 U3.25 U6.4 U6.5 U6.6 XS4. XS4.A5 XS4.A8 XS4.B5 XS4.B8 XS5. XS5.A5 XS5.A8 XS5.B5 XS5.B8

## Polygon pours and split planes (outlines as drawn)
PGND on Bottom Layer "PGND_L02_P003" (hatched 45Degree grid 20 track 8, remove dead copper, pour order 3): 2716.54,3348.44 2716.54,3543.31 2752.53,3579.3 ccw(c2696.85,3634.98) 2775.59,3634.98 2775.59,4239.04 ccw(c2696.85,4239.04) 2752.53,4294.72 2716.54,4330.71 2716.54,4525.58 cw(c2775.59,4525.58) 2755.39,4581.07 3088.03,4702.14 cw(c3121.7,4609.65) 3163.29,4698.86 3503.76,4540.1 ccw(c3586.95,4718.5) 3586.95,4521.65 4287.07,4521.65 ccw(c4287.07,4718.5) 4370.26,4540.1 4710.72,4698.86 cw(c4752.32,4609.65) 4785.98,4702.14 5118.62,4581.07 cw(c5098.43,4525.58) 5157.48,4525.58 5157.48,4330.71 5121.49,4294.72 ccw(c5177.17,4239.04) 5098.43,4239.04 5098.43,3634.98 ccw(c5177.17,3634.98) 5121.49,3579.3 5157.48,3543.31 5157.48,3348.44 cw(c5098.43,3348.44) 5118.62,3292.94 4785.98,3171.87 cw(c4752.32,3264.36) 4710.72,3175.16 4370.26,3333.92 ccw(c4287.07,3155.51) 4287.07,3352.36 3586.95,3352.36 ccw(c3586.95,3155.51) 3503.76,3333.92 3163.29,3175.16 cw(c3121.7,3264.36) 3088.03,3171.87 2755.39,3292.94 cw(c2775.59,3348.44)
PGND on Top Layer "PGND_L01_P002" (hatched 45Degree grid 20 track 8, remove dead copper, pour order 2): 2716.54,3348.44 2716.54,3543.31 2752.53,3579.3 ccw(c2696.85,3634.98) 2775.59,3634.98 2775.59,4239.04 ccw(c2696.85,4239.04) 2752.53,4294.72 2716.54,4330.71 2716.54,4525.58 cw(c2775.59,4525.58) 2755.39,4581.07 3088.03,4702.14 cw(c3121.7,4609.65) 3163.29,4698.86 3503.76,4540.1 ccw(c3586.95,4718.5) 3586.95,4521.65 4287.07,4521.65 ccw(c4287.07,4718.5) 4370.26,4540.1 4710.72,4698.86 cw(c4752.32,4609.65) 4785.98,4702.14 5118.62,4581.07 cw(c5098.43,4525.58) 5157.48,4525.58 5157.48,4330.71 5121.49,4294.72 ccw(c5177.17,4239.04) 5098.43,4239.04 5098.43,3634.98 ccw(c5177.17,3634.98) 5121.49,3579.3 5157.48,3543.31 5157.48,3348.44 cw(c5098.43,3348.44) 5118.62,3292.94 4785.98,3171.87 cw(c4752.32,3264.36) 4710.72,3175.16 4370.26,3333.92 ccw(c4287.07,3155.51) 4287.07,3352.36 3586.95,3352.36 ccw(c3586.95,3155.51) 3503.76,3333.92 3163.29,3175.16 cw(c3121.7,3264.36) 3088.03,3171.87 2755.39,3292.94 cw(c2775.59,3348.44)

## Keep-outs
Keep-Out Layer:
  circle w0.5: c3120.08,3259.84 r51.18
  circle w0.5: c4753.94,3259.84 r51.18
  circle w0.5: c4753.94,4614.17 r51.18
  circle w0.5: c3120.08,4614.17 r51.18
  lines w0.5: 2716.54,3348.44 ccw(c2775.59,3348.44) 2755.39,3292.94 3088.03,3171.87 ccw(c3121.7,3264.36) 3163.29,3175.16 3503.76,3333.92 cw(c3586.95,3155.51) 3586.95,3352.36 4287.07,3352.36 cw(c4287.07,3155.51) 4370.26,3333.92 4710.72,3175.16 ccw(c4752.32,3264.36) 4785.98,3171.87 5118.62,3292.94 ccw(c5098.43,3348.44) 5157.48,3348.44 5157.48,3543.31 5121.49,3579.3 cw(c5177.17,3634.98) 5098.43,3634.98 5098.43,4239.04 cw(c5177.17,4239.04) 5121.49,4294.72 5157.48,4330.71 5157.48,4525.58 ccw(c5098.43,4525.58) 5118.62,4581.07 4785.98,4702.14 ccw(c4752.32,4609.65) 4710.72,4698.86 4370.26,4540.1 cw(c4287.07,4718.5) 4287.07,4521.65 3586.95,4521.65 cw(c3586.95,4718.5) 3503.76,4540.1 3163.29,4698.86 ccw(c3121.7,4609.65) 3088.03,4702.14 2755.39,4581.07 ccw(c2775.59,4525.58) 2716.54,4525.58 2716.54,4330.71 2752.53,4294.72 cw(c2696.85,4239.04) 2775.59,4239.04 2775.59,3634.98 cw(c2696.85,3634.98) 2752.53,3579.3 2716.54,3543.31 2716.54,3348.44

## Silkscreen, mask and mechanical layers (free items; w line width, h text height)
Mechanical 1:
  circle w0.5: c3120.08,3259.84 r51.18
  circle w0.5: c4753.94,3259.84 r51.18
  circle w0.5: c4753.94,4614.17 r51.18
  circle w0.5: c3120.08,4614.17 r51.18
  lines w0.5: 2716.54,3348.44 ccw(c2775.59,3348.44) 2755.39,3292.94 3088.03,3171.87 ccw(c3121.7,3264.36) 3163.29,3175.16 3503.76,3333.92 cw(c3586.95,3155.51) 3586.95,3352.36 4287.07,3352.36 cw(c4287.07,3155.51) 4370.26,3333.92 4710.72,3175.16 ccw(c4752.32,3264.36) 4785.98,3171.87 5118.62,3292.94 ccw(c5098.43,3348.44) 5157.48,3348.44 5157.48,3543.31 5121.49,3579.3 cw(c5177.17,3634.98) 5098.43,3634.98 5098.43,4239.04 cw(c5177.17,4239.04) 5121.49,4294.72 5157.48,4330.71 5157.48,4525.58 ccw(c5098.43,4525.58) 5118.62,4581.07 4785.98,4702.14 ccw(c4752.32,4609.65) 4710.72,4698.86 4370.26,4540.1 cw(c4287.07,4718.5) 4287.07,4521.65 3586.95,4521.65 cw(c3586.95,4718.5) 3503.76,4540.1 3163.29,4698.86 ccw(c3121.7,4609.65) 3088.03,4702.14 2755.39,4581.07 ccw(c2775.59,4525.58) 2716.54,4525.58 2716.54,4330.71 2752.53,4294.72 cw(c2696.85,4239.04) 2775.59,4239.04 2775.59,3634.98 cw(c2696.85,3634.98) 2752.53,3579.3 2716.54,3543.31 2716.54,3348.44